# Altium PCB RelayTesterggf.PcbDoc (part 2 of 2)
Units mm, origin at the board's own origin, x right, y up, seen from the top; angles counter-clockwise.
Board outline 86 x 93 mm, 2 copper layers (Top Layer, Bottom Layer); 184 components, 140 nets, 718 pads, 177 vias.
Unrouted connection lines stored in the file: 16.
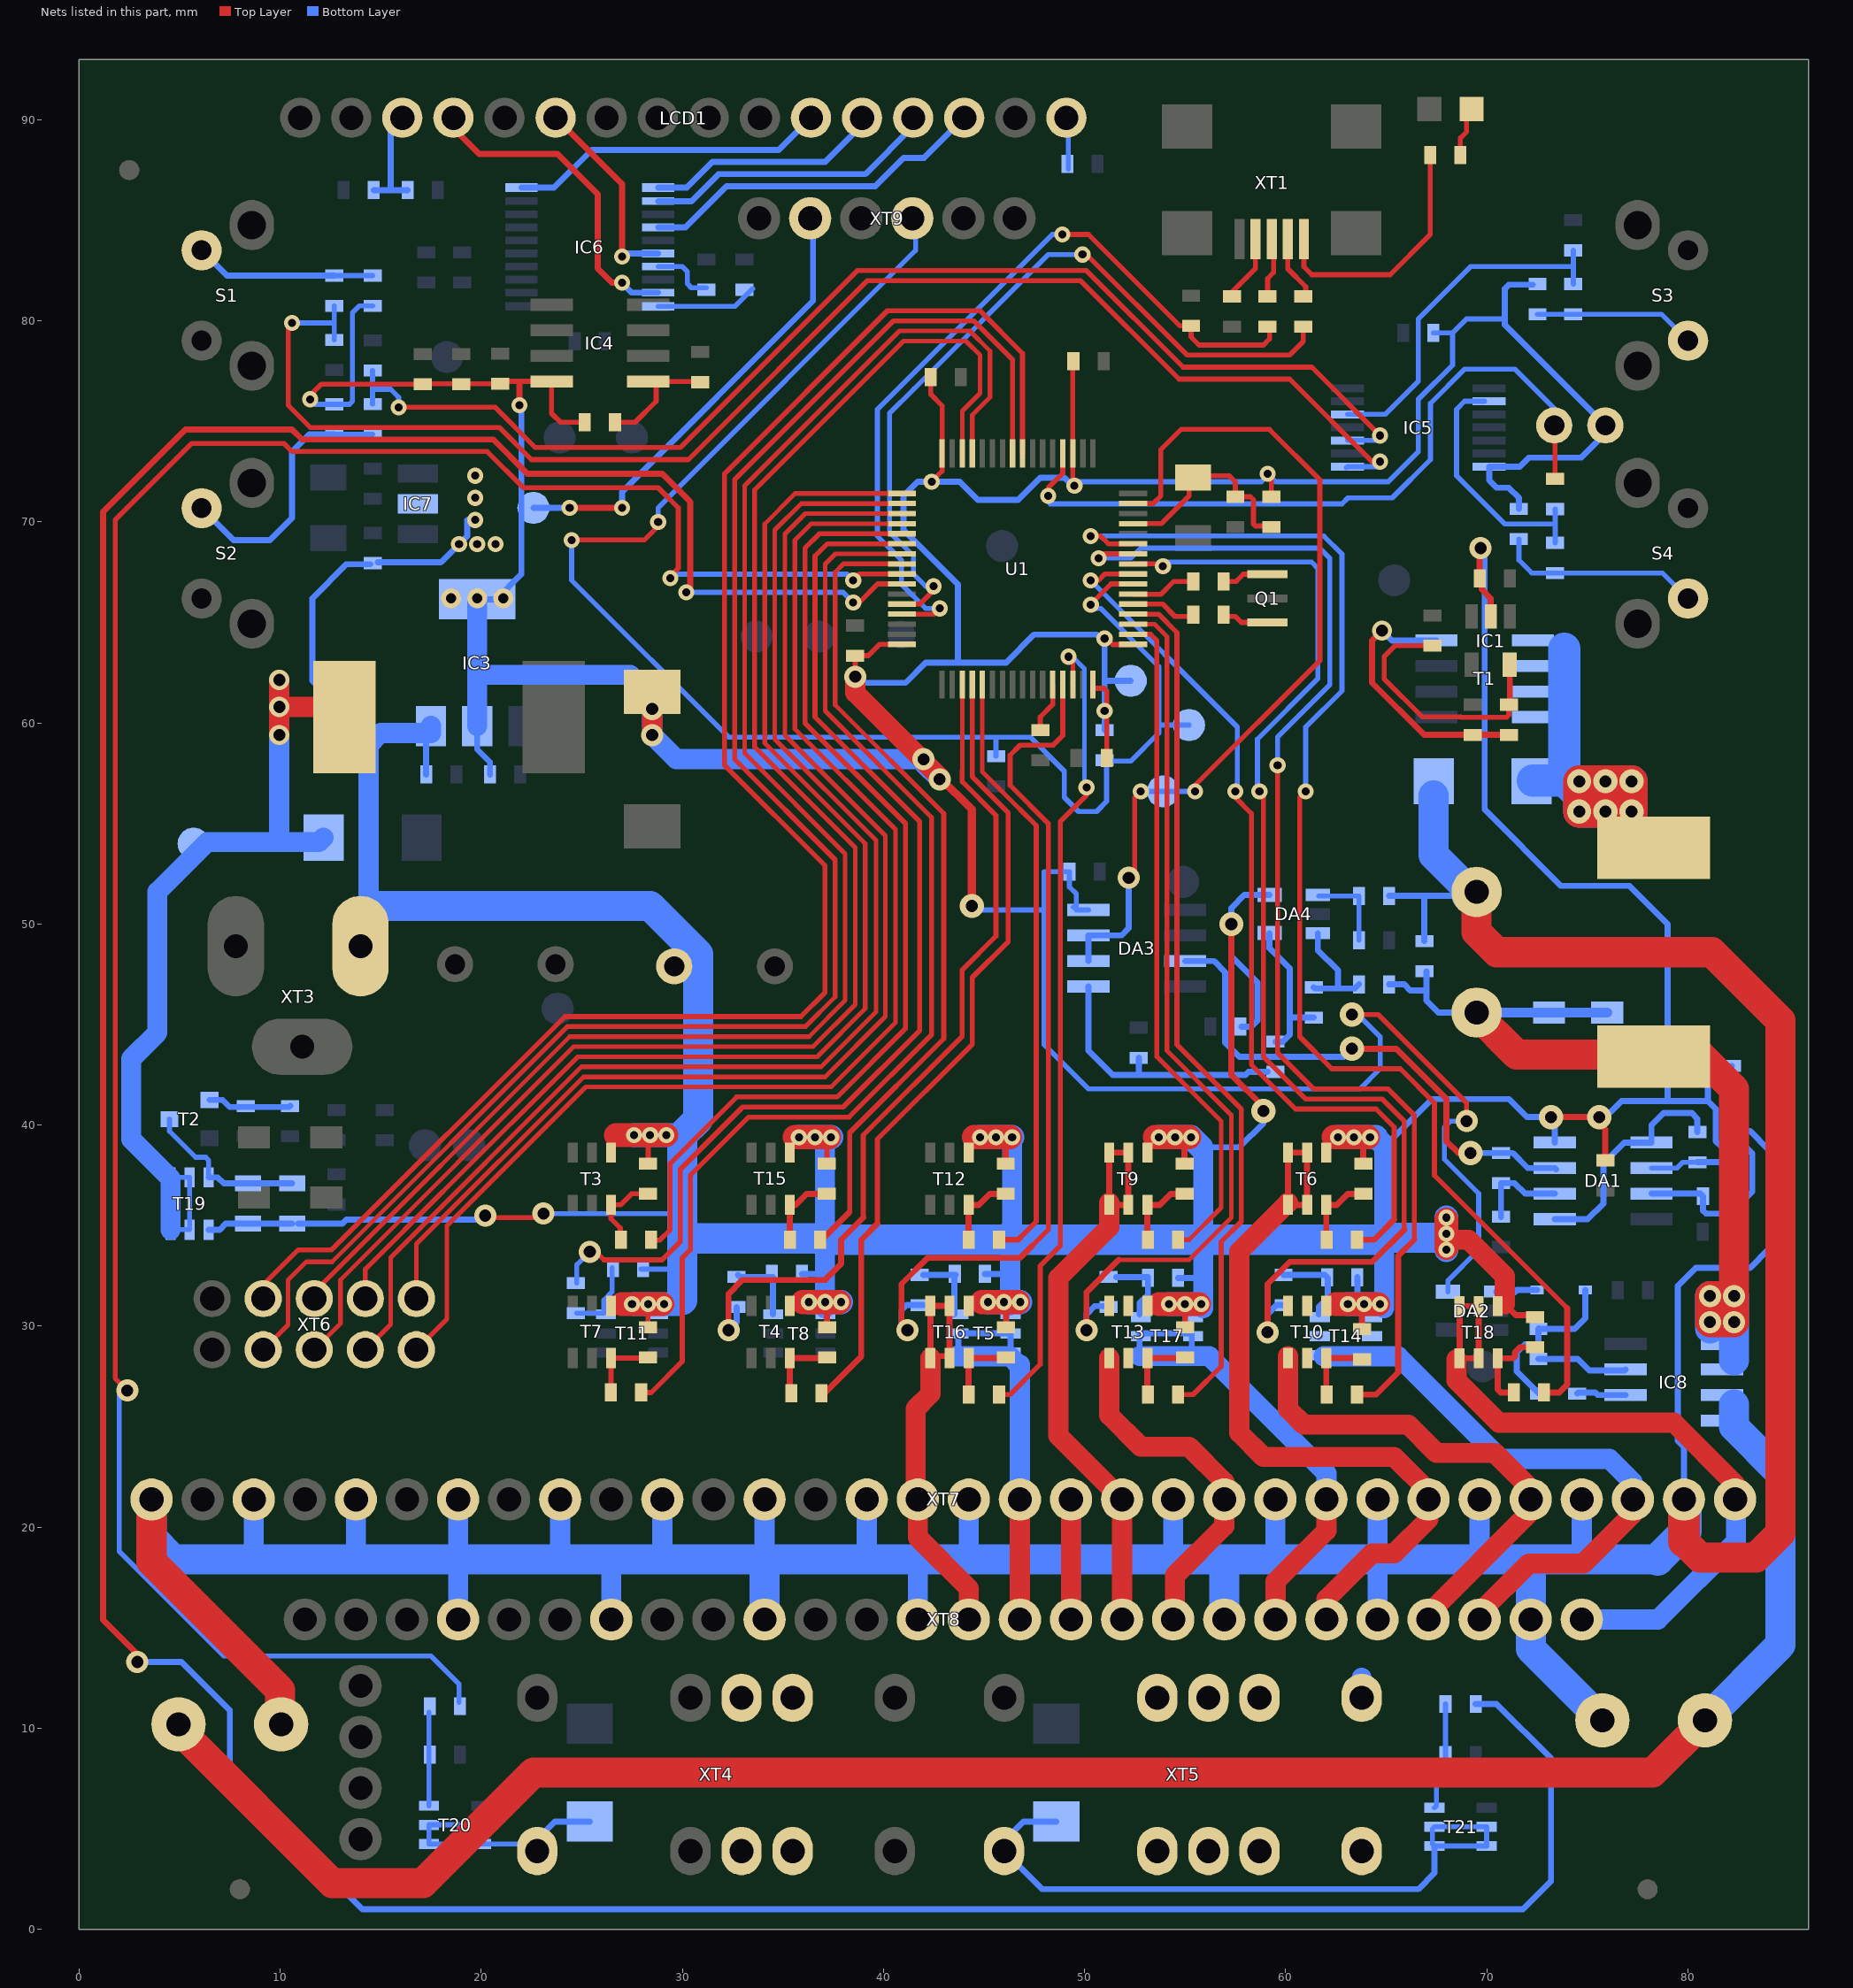
[diagram p2: the nets of this part, all layers, seen from the top]

## Via types
v1: diameter 0.8, hole 0.4, Top Layer to Bottom Layer, tented both sides, 99 vias
v2: diameter 1.1, hole 0.6, Top Layer to Bottom Layer, tented both sides, 42 vias
v3: diameter 1.2, hole 0.6, Top Layer to Bottom Layer, tented both sides, 18 vias
v4: diameter 1, hole 0.6, Top Layer to Bottom Layer, tented both sides, 5 vias
v5: diameter 2.8, hole 2.8, Top Layer to Bottom Layer, 4 vias
v6: diameter 1, hole 0.5, Top Layer to Bottom Layer, 3 vias
v7: diameter 0.9, hole 0.9, Top Layer to Bottom Layer, 2 vias
v8: diameter 0.9, hole 0.4, Top Layer to Bottom Layer, tented both sides, 2 vias
v9: diameter 3, hole 3, Top Layer to Bottom Layer, tented both sides, 2 vias

## Nets (pads, with @x,y where several pads share a name; then routed paths per layer and width w, separated by ;. In a path a pad name is that pad's centre, name@x,y a point inside that pad or via, vN(x,y) a via of type N, cw(c..) or ccw(c..) an arc to the next point about the centre after c; other vN are vias at no path point) (continued)
MOSOUT8: T16.2 XT7.16 XT8.14 | length 21.7
  Top Layer w0.3: T16.2@42.338,31.013 T16.2@43.288,31.013 T16.2@43.288,28.413 43.188,28.513 T16.2@42.338,28.513 ; T16.2@42.4,31 42.338,30.938 T16.2@42.338,28.513 ; T16.2@42.338,28.513 T16.2@42.338,28.413 T16.2@42.338,28.513
  Top Layer w1: T16.2@42.338,28.413 42.338,26.638 41.6,25.9 41.6,21.492 XT7.16@41.71,21.382 41.71,19.49 44.25,16.95 XT8.14@44.25,15.413
MOSOUT9: T5.2 XT7.18 XT8.15 | length 23.5
  Top Layer w1: XT8.15@46.79,15.413 XT7.18@46.79,21.382
  Bottom Layer w0.3: T5.2@43.7,29.5 43.726,29.474 T5.2@43.726,28.691 T5.2@46.326,28.691 ; T5.2@43.726,29.641 T5.2@46.326,29.641 T5.2@46.326,28.691 ; T5.2@46.326,28.691 46.326,28.526 46.3,28.5 46.3,28.665 T5.2@46.326,28.691
  Bottom Layer w1: T5.2@43.6,28.5 46.3,28.5 46.79,28.01 ; XT7.18@46.79,21.382 46.79,28.01 ; 46.79,28.1 46.79,28.01
MOSOUT10: T9.2 XT5.2 XT7.20 XT8.17 | length 30.6
  Top Layer w0.3: T9.2@51.2,38.6 51.228,38.572 51.228,36.133 51.328,36.033 T9.2@52.178,36.033 T9.2@52.178,38.633 T9.2@51.228,38.633
  Top Layer w1: T9.2@51.228,36.133 51.228,34.928 48.7,32.4 48.7,24.552 XT7.20@51.87,21.382 XT8.17@51.87,15.413 XT8.17@51.5,15.043
MOSOUT11: T13.2 XT5.9 XT7.22 XT8.18 | length 17.8
  Top Layer w1: T13.2@51.228,28.413 51.228,25.572 52.8,24 55.2,24 56.95,22.25 XT7.22@56.95,21.382 56.95,20.05 54.5,17.6 54.5,15.503 XT8.18@54.41,15.413
MOSOUT12: T17.2 XT5.5 XT7.24 XT8.20 | length 27.2
  Top Layer w1: XT8.20@59.49,15.413 59.5,15.423 59.5,17.3 62.03,19.83 XT7.24@62.03,21.382
  Bottom Layer w0.3: T17.2@52.736,29.65 55.336,29.65 55.336,28.773 55.409,28.7 55.336,28.7 52.736,28.7 52.736,29.445 T17.2@52.9,29.609
  Bottom Layer w1: T17.2@52.736,28.509 56.2,28.509 ; 56.2,28.5 62.03,22.67 XT7.24@62.03,21.382
MOSOUT13: T6.2 XT5.6 XT7.26 XT8.21 | length 40.2
  Top Layer w0.3: T6.2@60.1,38.6 60.118,38.582 60.118,36.133 60.218,36.033 T6.2@61.068,36.033 T6.2@61.068,38.633 T6.2@60.118,38.633
  Top Layer w1: T6.2@60.118,36.133 57.7,33.715 57.7,24.7 58.9,23.5 65.4,23.5 67.11,21.79 XT7.26@67.11,21.382 67.11,20.41 65.4,18.7 64.3,18.7 62.03,16.43 XT8.21@62.03,15.413
  Bottom Layer w1: XT5.6@63.783,11.517 XT5.6@63.783,12.517
MOSOUT14: T10.2 XT7.28 XT8.23 | length 24.9
  Top Layer w1: T10.2@60.118,28.513 60.118,25.882 60.9,25.1 66.1,25.1 67.5,23.7 70.4,23.7 72.19,21.91 XT7.28@72.19,21.382 72.19,20.79 67.11,15.71 XT8.23@67.11,15.413
MOSOUT15: T14.2 XT7.30 XT8.24 | length 32.2
  Top Layer w1: XT8.24@69.65,15.413 69.65,15.75 72.1,18.2 74.8,18.2 77.27,20.67 XT7.30@77.27,21.382
  Bottom Layer w0.3: T14.2@61.646,28.691 T14.2@64.246,28.691 ; T14.2@61.646,29.446 T14.2@61.7,29.5
  Bottom Layer w1: T14.2@61.9,28.5 65.4,28.5 65.6,28.5 70.7,23.4 76.1,23.4 77.27,22.23 XT7.30@77.27,21.382
MOSOUT16: T18.2 XT7.32 XT8.26 | length 36.8
  Top Layer w0.3: T18.2@68.6,31 T18.2@68.65,31 ; T18.2@68.65,31 T18.2@69.6,31 T18.2@69.6,28.4 T18.2@68.65,28.4 T18.2@68.65,31
  Top Layer w1: T18.2@68.5,28.35 68.5,27.3 70.6,25.2 79.3,25.2 82.35,22.15 XT7.32@82.35,21.382 XT7.32@82.35,20.95
  Bottom Layer w1: XT8.26@74.73,15.413 78.513,15.413 82.4,19.3 82.4,21.332 XT7.32@82.35,21.382
NetC7_2: C7.2 C9.1 L1.2 U1.13 | length 10.1
  Top Layer w0.25: U1.13@52.421,69.914 53.814,69.914 55.2,71.3 C9.1@55.2,71.9 ; C9.1@55.4,72.2 55.5,72.3 57.2,72.3 57.5,72 C7.2@57.5,71.25 58.25,71.25 58.4,71.1 58.4,69.9 58.5,69.8 59.25,69.8 L1.2@59.3,69.75
NetC19_2: C19.2 IC5.1 R40.2 | length 72.7
  Top Layer w0.25: v1(10.6,79.9) 10.4,79.7 10.4,75.8 11.5,74.7 20.9,74.7 22.5,73.1 30.3,73.1 39.2,82 49.8,82 54.7,77.1 60.2,77.1 64.3,73 v1(64.7,73)
  Bottom Layer w0.25: v1(10.6,79.9) 12.7,79.9 ; C19.2@12.7,79.05 12.7,79.9 ; R40.2@12.7,80.75 12.7,79.9 ; IC5.1@63.025,72.7 IC5.1@63.075,72.75 64.55,72.75 64.7,72.9 v1(64.7,73)
NetC20_2: C20.2 IC5.3 R41.2 | length 62.2
  Top Layer w0.25: v1(15.9,75.7) 20.7,75.7 22.7,73.7 29.9,73.7 38.7,82.5 50.1,82.5 54.9,77.7 61.3,77.7 v1(64.7,74.3)
  Bottom Layer w0.25: R41.2@14.6,75.858 14.6,76.6 ; C20.2@14.6,77.533 14.6,76.6 ; v1(15.9,75.7) 15.9,76.2 15.5,76.6 14.6,76.6 ; IC5.3@63.075,74.05 64.65,74.05 64.7,74.1 v1(64.7,74.3)
NetC21_2: C21.2 IC5.5 R42.2 | length 17.8
  Bottom Layer w0.25: IC5.5@63.075,75.35 64.95,75.35 66.6,77 66.6,80.1 69.2,82.7 74.3,82.7 ; R42.2@74.306,81.834 C21.2@74.306,83.509
NetC22_2: C22.2 IC5.9 R43.2 | length 12.4
  Bottom Layer w0.25: IC5.9@69.9,76 68.9,76 68.5,75.6 68.5,72.3 70.9,69.9 73.406,69.9 ; R43.2@73.406,68.961 C22.2@73.406,70.636
NetC29_2: C29.2 IC8.6 | length 2.5
  Bottom Layer w0.3: C29.2@74.5,26.65 74.55,26.7 75.4,26.7 75.522,26.578 IC8.6@76.902,26.578
NetD1_2: D1.2 L2.1 pad.2@5.7,54 T19.2 | length 48.9
  Top Layer w1: v4(9.96,59.4) v4(9.96,60.8) ; v4(9.96,62.14) v4(9.96,60.8) ; L2.1@13.2,60.3 12.7,60.8 v4(9.96,60.8)
  Bottom Layer w0.25: T19.2@4.55,34.8 T19.2@5.5,34.8 T19.2@5.5,37.4 T19.2@4.55,37.4 T19.2@4.55,34.8
  Bottom Layer w1: T19.2@4.55,34.8 4.55,37.35 2.6,39.3 2.6,43.3 3.9,44.6 3.9,51.6 6.375,54.075 9.96,54.075 ; v4(9.96,62.14) v4(9.96,60.8) v4(9.96,59.4) 9.96,54.075 ; D1.2@12.16,54.3 11.934,54.075 9.96,54.075
NetD2_1: D2.1 L3.1 T1.5 T1.6 T1.7 T1.8 | length 25.4
  Top Layer w1.5: L3.1@78.2,53.7 L3.1@78.4,53.9
  Top Layer w1.6: v3(74.6,55.6) v3(77.2,55.6) v3(77.2,57.1) v3(74.6,57.1) v3(74.6,55.6)
  Bottom Layer w1.6: D2.1@72.3,57.14 73.86,57.14 ; 73.86,63.7 73.86,57.14 ; v3@74.4,57.1 v3(77.2,57.1) v3(77.2,55.6) v3(74.6,55.6) 74.6,56.3 74.65,56.35 73.86,57.14
  other v3: 75.9,55.6 75.9,57.1
NetD3_1: D3.1 T20.2 XT4.1 | length 13.5
  Bottom Layer w0.25: T20.2@19.6,4.25 20.1,4.25 20.1,5.2 T20.2@17.4,5.2 T20.2@17.4,4.25 XT4.1@22.2,4.25
  Bottom Layer w0.3: XT4.1@22.787,3.897 22.787,4.487 23.66,5.36 D3.1@25.4,5.36
NetD4_1: D4.1 T21.2 XT5.1 | length 34.4
  Bottom Layer w0.25: T21.2@67.3,5 67.3,4.25 T21.2@67.4,4.15 T21.2@70,4.15 T21.2@70,5.1 T21.2@67.4,5.1
  Bottom Layer w0.3: D4.1@48.6,5.36 46.96,5.36 46.003,4.403 XT5.1@46.003,3.897 47.9,2 66.6,2 67.4,2.8 T21.2@67.4,4.15
NetD5_1: D5.1 R79.2 R82.2 | length 8.5
  Bottom Layer w0.3: R82.2@72.6,26.65 71.5,27.75 71.5,28.7 71.9,29.1 72.571,29.1 R79.2@72.571,29.868 ; R79.2@72.6,29.897 R79.2@72.571,29.868 ; D5.1@74.9,31.8 74.9,30.4 74.368,29.868 R79.2@72.571,29.868
NetD5_2: D5.2 DA2.1 | length 2.1
  Bottom Layer w0.3: DA2.1@70.469,31.719 70.488,31.7 71.4,31.7 71.5,31.8 D5.2@72.5,31.8
NetDA1_1: DA1.1 DA1.5 R50.2 | length 11.7
  Bottom Layer w0.3: DA1.5@73.39,35.324 75.024,35.324 75.8,36.1 75.8,38.1 76.834,39.134 DA1.1@78.19,39.134 78.19,39.99 78.8,40.6 80.2,40.6 80.477,40.323 R50.2@80.477,39.655
NetDA1_2: DA1.2 R48.2 R50.1 | length 4.2
  Bottom Layer w0.25: DA1.2@78.19,37.864 79.464,37.864 79.755,38.155 R50.1@80.477,38.155
  Bottom Layer w0.3: R50.1@80.477,38.155 R48.2@82.255,38.155
NetDA1_3: DA1.3 R49.2 R51.1 | length 5.7
  Bottom Layer w0.3: DA1.3@78.19,36.594 80.628,36.594 R49.2@80.755,36.467 ; R49.2@80.75,36.462 R49.2@80.755,36.467 ; R51.1@82.25,34.7 82.25,35.35 82,35.6 80.9,35.6 80.755,35.745 R49.2@80.755,36.467
NetDA1_6: DA1.6 R62.2 R63.1 | length 4.6
  Bottom Layer w0.3: R62.2@70.71,35.439 R63.1@70.71,37.114 71.386,37.114 71.906,36.594 DA1.6@73.39,36.594
NetDA1_7: DA1.7 DA3.3 R63.2 | length 26.4
  Top Layer w0.3: v3(63.3,43.8) 65.5,43.8 68,41.3 68,39.2 68.586,38.614 v3(69.2,38.614)
  Bottom Layer w0.3: DA3.3@55,48.165 56.435,48.165 57,47.6 57,44.1 57.7,43.4 62.9,43.4 v3(63.3,43.8) ; v3(69.2,38.614) R63.2@70.71,38.614 71.286,38.614 72.036,37.864 DA1.7@73.39,37.864 DA1.7@73.454,37.8
NetDA3_5: DA3.5 R14.1 R17.2 | length 13.5
  Bottom Layer w0.3: DA3.5@50.2,46.895 50.2,43.7 51.4,42.5 58,42.5 58.15,42.65 R14.1@59.1,42.65 ; 52.7,42.5 R17.2@52.7,43.35
NetDA4_1: DA4.1 R84.2 R86.1 | length 4.2
  Bottom Layer w0.25: DA4.1@61.65,51.4 R84.2@63.65,51.4 R86.1@63.65,49.2
NetDA4_3: DA4.3 R83.2 R85.1 | length 5.5
  Bottom Layer w0.3: R85.1@61.4,46.85 61.45,46.8 62.6,46.8 ; DA4.3@61.6,49.55 61.6,48.7 62.6,47.7 62.6,46.8 ; R83.2@63.65,47 63.45,46.8 62.6,46.8
NetDA4_4: DA4.4 R14.2 R85.2 | length 7.5
  Bottom Layer w0.3: DA4.4@59.2,49.55 59.2,48.8 60.2,47.8 60.2,45.35 ; R14.2@59.5,44.15 59.85,44.15 60.2,44.5 60.2,45.35 ; R85.2@61.4,45.35 60.2,45.35
NetIC1_5: IC1.5 R7.1 R89.2 | length 13.2
  Top Layer w0.25: R89.2@67.3,63.85 65.45,63.85 64.9,63.3 64.9,62.2 66.8,60.3 68.7,60.3 68.715,60.285 70.985,60.285 71.1,60.4 R7.1@71.1,60.91
  Top Layer w0.3: R7.1@71.15,60.96 IC1.5@71.15,62.9
NetIC4_1: IC4.1 R11.2 R12.1 | length 6.5
  Top Layer w0.25: R12.1@26.655,74.958 27.658,74.958 28.7,76 IC4.1@28.7,76.978 ; R11.2@30.9,76.978 IC4.1@28.7,76.978 ; IC4.1@28.7,76.978 28.688,76.99 IC4.1@28.305,76.99 28.317,76.978 IC4.1@28.7,76.978
NetIC6_10: IC6.10 LCD1.11 | length 15.8
  Bottom Layer w0.3: IC6.10@22,86.628 23.628,86.628 25.5,88.5 34.8,88.5 LCD1.11@36.4,90.1
NetIC6_11: IC6.11 LCD1.12 | length 11.8
  Bottom Layer w0.3: IC6.11@28.8,86.628 30.228,86.628 31.5,87.9 37.1,87.9 38.94,89.74 LCD1.12@38.94,90.1
NetIC6_12: IC6.12 LCD1.13 | length 14.6
  Bottom Layer w0.3: IC6.12@28.8,85.953 30.453,85.953 31.8,87.3 39.1,87.3 41.48,89.68 LCD1.13@41.48,90.1
NetIC6_14: IC6.14 LCD1.14 | length 17.5
  Bottom Layer w0.3: IC6.14@28.8,84.653 30.153,84.653 32.2,86.7 39.6,86.7 41,88.1 42.02,88.1 LCD1.14@44.02,90.1
NetIC6_16: IC6.16 LCD1.6 | length 10.1
  Top Layer w0.3: LCD1.6@23.7,90.1 27,86.8 v1(27,83.2)
  Bottom Layer w0.3: v1(27,83.2) 27.153,83.353 IC6.16@28.8,83.353
NetIC6_17: IC6.17 R73.2 | length 3.2
  Bottom Layer w0.25: IC6.17@28.8,82.703 29.997,82.703 30.25,82.45 30.25,81.85 30.45,81.65 R73.2@31.2,81.65
NetIC6_19: IC6.19 LCD1.4 | length 16.3
  Top Layer w0.3: LCD1.4@18.62,90.1 18.62,89.58 19.9,88.3 23.8,88.3 25.8,86.3 25.8,82.6 26.5,81.9 v1(27,81.9)
  Bottom Layer w0.3: v1(27,81.9) 27.497,81.403 IC6.19@28.8,81.403
NetIC6_20: IC6.20 R72.2 | length 5.1
  Bottom Layer w0.25: IC6.20@28.8,80.728 32.628,80.728 R72.2@33.5,81.6
NetIC8_7: IC8.7 R79.1 | length 4.6
  Bottom Layer w0.3: R79.1@72.571,28.368 74.532,28.368 75.1,27.8 76.854,27.8 IC8.7@76.902,27.848
NetLCD1_3: LCD1.3 R80.1 R81.2 | length 5.5
  Bottom Layer w0.3: R80.1@14.65,86.5 15.5,86.5 ; LCD1.3@16.08,90.1 15.5,89.52 15.5,86.5 ; R81.2@16.35,86.5 15.5,86.5
NetLCD1_16: LCD1.16 R74.1 | length 2.4
  Bottom Layer w0.25: R74.1@49.2,87.55 LCD1.16@49.2,90
NetLED1_1: LED1.1 R1.1 | length 2.5
  Top Layer w0.25: R1.1@68.695,88.25 68.695,89.095 69,89.4 69,90.287 LED1.1@69.249,90.536
NetQ1_1: Q1.1 R19.2 | length 2.3
  Top Layer w0.25: R19.2@56.911,67.044 57.544,67.044 57.9,67.4 Q1.1@59.1,67.4
NetQ1_3: Q1.3 R18.2 | length 2.4
  Top Layer w0.25: R18.2@56.911,65.393 57.004,65.3 57.5,65.3 57.8,65 Q1.3@59.1,65
NetR1_2: R1.2 XT1.1 | length 12.6
  Top Layer w0.25: XT1.1@60.909,84.069 60.909,82.691 61.3,82.3 65.2,82.3 67.195,84.295 R1.2@67.195,88.25
NetR3_1: R3.1 XT1.2 | length 3.3
  Top Layer w0.25: XT1.2@60.109,84.069 60.109,82.591 61,81.7 61,81.335 R3.1@60.883,81.218
NetR3_2: R3.2 U1.44 | length 38.7
  Top Layer w0.25: U1.44@40.921,65.914 41.814,65.914 42.5,66.6 v1(42.5,66.8) ; v1@50,83.4 55.1,78.3 60.2,78.3 60.883,78.983 R3.2@60.883,79.718
  Bottom Layer w0.25: v1(42.5,66.8) 42.1,66.8 41.5,67.4 41.5,68.3 40.3,69.5 40.3,75.4 41.5,76.6 48.2,83.3 v1(49.9,83.3)
NetR4_1: R4.1 XT1.3 | length 3
  Top Layer w0.25: R4.1@59.105,81.218 59.105,82.105 59.4,82.4 59.4,83.978 XT1.3@59.309,84.069
NetR4_2: R4.2 R6.2 U1.45 | length 40.1
  Top Layer w0.25: U1.45@40.921,65.414 42.514,65.414 v1(42.8,65.7) ; v1(48.9,84.3) 50.2,84.3 54.75,79.75 R6.2@55.3,79.75 55.3,79.2 55.7,78.8 58.9,78.8 59.2,79.1 59.2,79.623 R4.2@59.105,79.718
  Bottom Layer w0.25: v1(42.8,65.7) 42.1,65.7 40.9,66.9 40.9,68.1 39.7,69.3 39.7,75.6 48.4,84.3 v1(48.9,84.3)
NetR5_1: R5.1 XT1.4 | length 3.3
  Top Layer w0.25: R5.1@57.327,81.218 57.327,81.427 58.5,82.6 58.5,84.06 XT1.4@58.509,84.069
NetR7_2: R7.2 R9.2 T1.4 | length 13.6
  Top Layer w0.3: v4(64.8,64.6) 64.3,64.1 64.3,62 66.89,59.41 R9.2@69.3,59.41 R7.2@71.1,59.41
  Bottom Layer w0.3: v4(64.8,64.6) 65.295,64.105 T1.4@67.5,64.105
NetR8_2: R8.2 R10.1 T2.1 | length 4.2
  Bottom Layer w0.3: T2.1@6.5,41.25 7.15,41.25 7.5,40.9 10.45,40.9 R8.2@10.5,40.95
NetR16_1: R16.1 U1.60 | length 2.5
  Top Layer w0.25: R16.1@47.8,59.65 47.8,60.3 48.421,60.921 U1.60@48.421,61.914
NetR18_1: R18.1 U1.5 | length 3.3
  Top Layer w0.25: U1.5@52.421,65.914 53.886,65.914 54.5,65.3 55.318,65.3 R18.1@55.411,65.393
NetR19_1: R19.1 U1.6 | length 3.3
  Top Layer w0.25: U1.6@52.421,66.414 52.435,66.4 53.8,66.4 54.444,67.044 R19.1@55.411,67.044
NetR22_2: R22.2 R26.2 T3.1 | length 4
  Top Layer w0.25: R22.2@26.917,34.285 26.917,34.883 26.458,35.342 T3.1@26.458,36.033 26.933,36.033 27.483,36.583 R26.2@28.302,36.583
NetR23_2: R23.2 R27.2 T4.1 | length 3.6
  Top Layer w0.3: R23.2@35.426,26.665 35.348,26.743 T4.1@35.348,28.413 R27.2@37.192,28.413
NetR24_2: R24.2 R28.2 T5.1 | length 3.6
  Bottom Layer w0.3: R24.2@41.978,32.55 R28.2@43.6,32.55 ; T5.1@43.526,30.591 R28.2@43.526,32.55
NetR25_2: R25.2 R29.2 T6.1 | length 3.8
  Top Layer w0.3: R25.2@62.05,34.3 62.018,34.332 T6.1@62.018,36.033 62.533,36.033 63.083,36.583 R29.2@63.862,36.583
NetR31_1: R31.1 R40.1 S1.2 | length 9
  Bottom Layer w0.25: R40.1@12.7,82.25 R31.1@14.6,82.25
  Bottom Layer w0.3: S1.2@6.096,83.515 7.361,82.25 R40.1@12.7,82.25
NetR32_1: R32.1 R41.1 S2.2 | length 13.3
  Bottom Layer w0.25: R32.1@12.7,74.35 14.592,74.35 R41.1@14.6,74.358
  Bottom Layer w0.3: S2.2@6.096,70.688 7.684,69.1 9.5,69.1 10.6,70.2 10.6,73.5 11.45,74.35 R32.1@12.7,74.35
NetR33_1: R33.1 R42.1 S3.2 | length 8
  Bottom Layer w0.25: R33.1@72.528,80.334 R42.1@74.306,80.334 78.691,80.334 S3.2@80.01,79.015
NetR34_1: R34.1 R43.1 S4.2 | length 10.3
  Bottom Layer w0.25: R34.1@71.6,69.15 71.6,68.1 72.239,67.461 R43.1@73.406,67.461 78.737,67.461 S4.2@80.01,66.188
NetR36_2: R36.2 R44.2 T7.1 | length 3.6
  Top Layer w0.25: R36.2@26.458,26.7 T7.1@26.458,28.413 R44.2@28.3,28.413
NetR37_2: R37.2 R45.2 T8.1 | length 3.6
  Bottom Layer w0.3: R37.2@32.768,32.55 32.883,32.435 R45.2@34.45,32.435 ; T8.1@34.516,30.591 R45.2@34.516,32.435
NetR38_2: R38.2 R46.2 T9.1 | length 3.8
  Top Layer w0.3: R38.2@53.15,34.3 53.128,34.322 T9.1@53.128,36.033 53.733,36.033 54.283,36.583 R46.2@54.972,36.583
NetR39_2: R39.2 R47.2 T10.1 | length 3.6
  Top Layer w0.3: R39.2@62.05,26.6 62.018,26.632 T10.1@62.018,28.413 63.737,28.413 R47.2@63.8,28.35
NetR52_2: R52.2 R56.2 T11.1 | length 3.7
  Bottom Layer w0.25: R52.2@24.758,30.65 T11.1@26.1,30.65 ; T11.1@26.1,30.694 26.1,31.3 26.506,31.706 R56.2@26.506,32.9
NetR53_2: R53.2 R57.2 T12.1 | length 3.8
  Top Layer w0.3: R53.2@44.25,34.3 44.238,34.312 T12.1@44.238,36.033 44.733,36.033 45.283,36.583 R57.2@46.082,36.583
NetR54_2: R54.2 R58.2 T13.1 | length 3.3
  Top Layer w0.3: T13.1@53.128,28.328 53.128,26.622 R54.2@53.15,26.6 ; T13.1@53.128,28.413 R58.2@54.7,28.413
NetR55_2: R55.2 R59.2 T14.1 | length 4.3
  Bottom Layer w0.3: R55.2@59.898,32.55 61.954,32.55 R59.2@62.069,32.435 62.1,32.404 62.1,31.4 61.646,30.946 T14.1@61.646,30.591
NetR64_2: R64.2 R68.2 T15.1 | length 3.9
  Top Layer w0.3: R64.2@35.35,34.2 35.348,34.202 T15.1@35.348,36.033 35.633,36.033 36.183,36.583 R68.2@37.192,36.583
NetR65_2: R65.2 R69.2 T16.1 | length 3.7
  Top Layer w0.3: R65.2@44.25,26.6 44.238,26.612 T16.1@44.238,28.413 R69.2@46.1,28.413
NetR66_2: R66.2 R70.2 T17.1 | length 3.6
  Bottom Layer w0.3: R66.2@51.588,32.444 53.159,32.444 53.159,31.568 52.736,31.145 T17.1@52.736,30.6
NetR67_2: R67.2 R71.2 T18.1 | length 4.6
  Top Layer w0.3: R67.2@71.35,26.7 70.7,26.7 70.55,26.85 T18.1@70.55,28.4 71.3,28.4 71.4,28.5 71.4,28.7 71.65,28.95 R71.2@72.4,28.95
NetR75_2: R75.2 R77.1 T20.1 | length 4.7
  Bottom Layer w0.25: T20.1@17.4,6.15 R75.2@17.4,10.8
NetR76_2: R76.2 R78.1 T21.1 | length 5.4
  Bottom Layer w0.25: T21.1@67.4,6.05 67.5,6.15 67.5,7.1 67.951,7.551 R78.1@67.951,8.669 R76.2@67.951,11.209
NetR87_1: R87.1 R88.1 T2.3 T19.1 | length 8.3
  Bottom Layer w0.25: T2.3@4.5,40.3 4.5,39.7 5.8,38.4 6.3,38.4 6.45,38.25 T19.1@6.45,37.4
  Bottom Layer w0.3: T19.1@6.45,37.4 6.9,37.4 7.2,37.1 R88.1@8.4,37.1 R87.1@10.6,37.1
NRST: C32.1 pad.2@55.2,59.9 R90.1 U1.7 XT9.3 | length 77.1